# Altium PCB ZYNQ_JTY_16CH.PcbDoc (part 2 of 4)
Units mil, origin at the board's own origin, x right, y up, seen from the top; angles counter-clockwise.
Board outline 6456.69 x 4901.57 mil, 4 copper layers (Top1, GND2, PWR3, Bottom4), stack 22.378 mil thick; 525 components, 438 nets, 2202 pads, 1379 vias.
Unrouted connection lines stored in the file: 13.
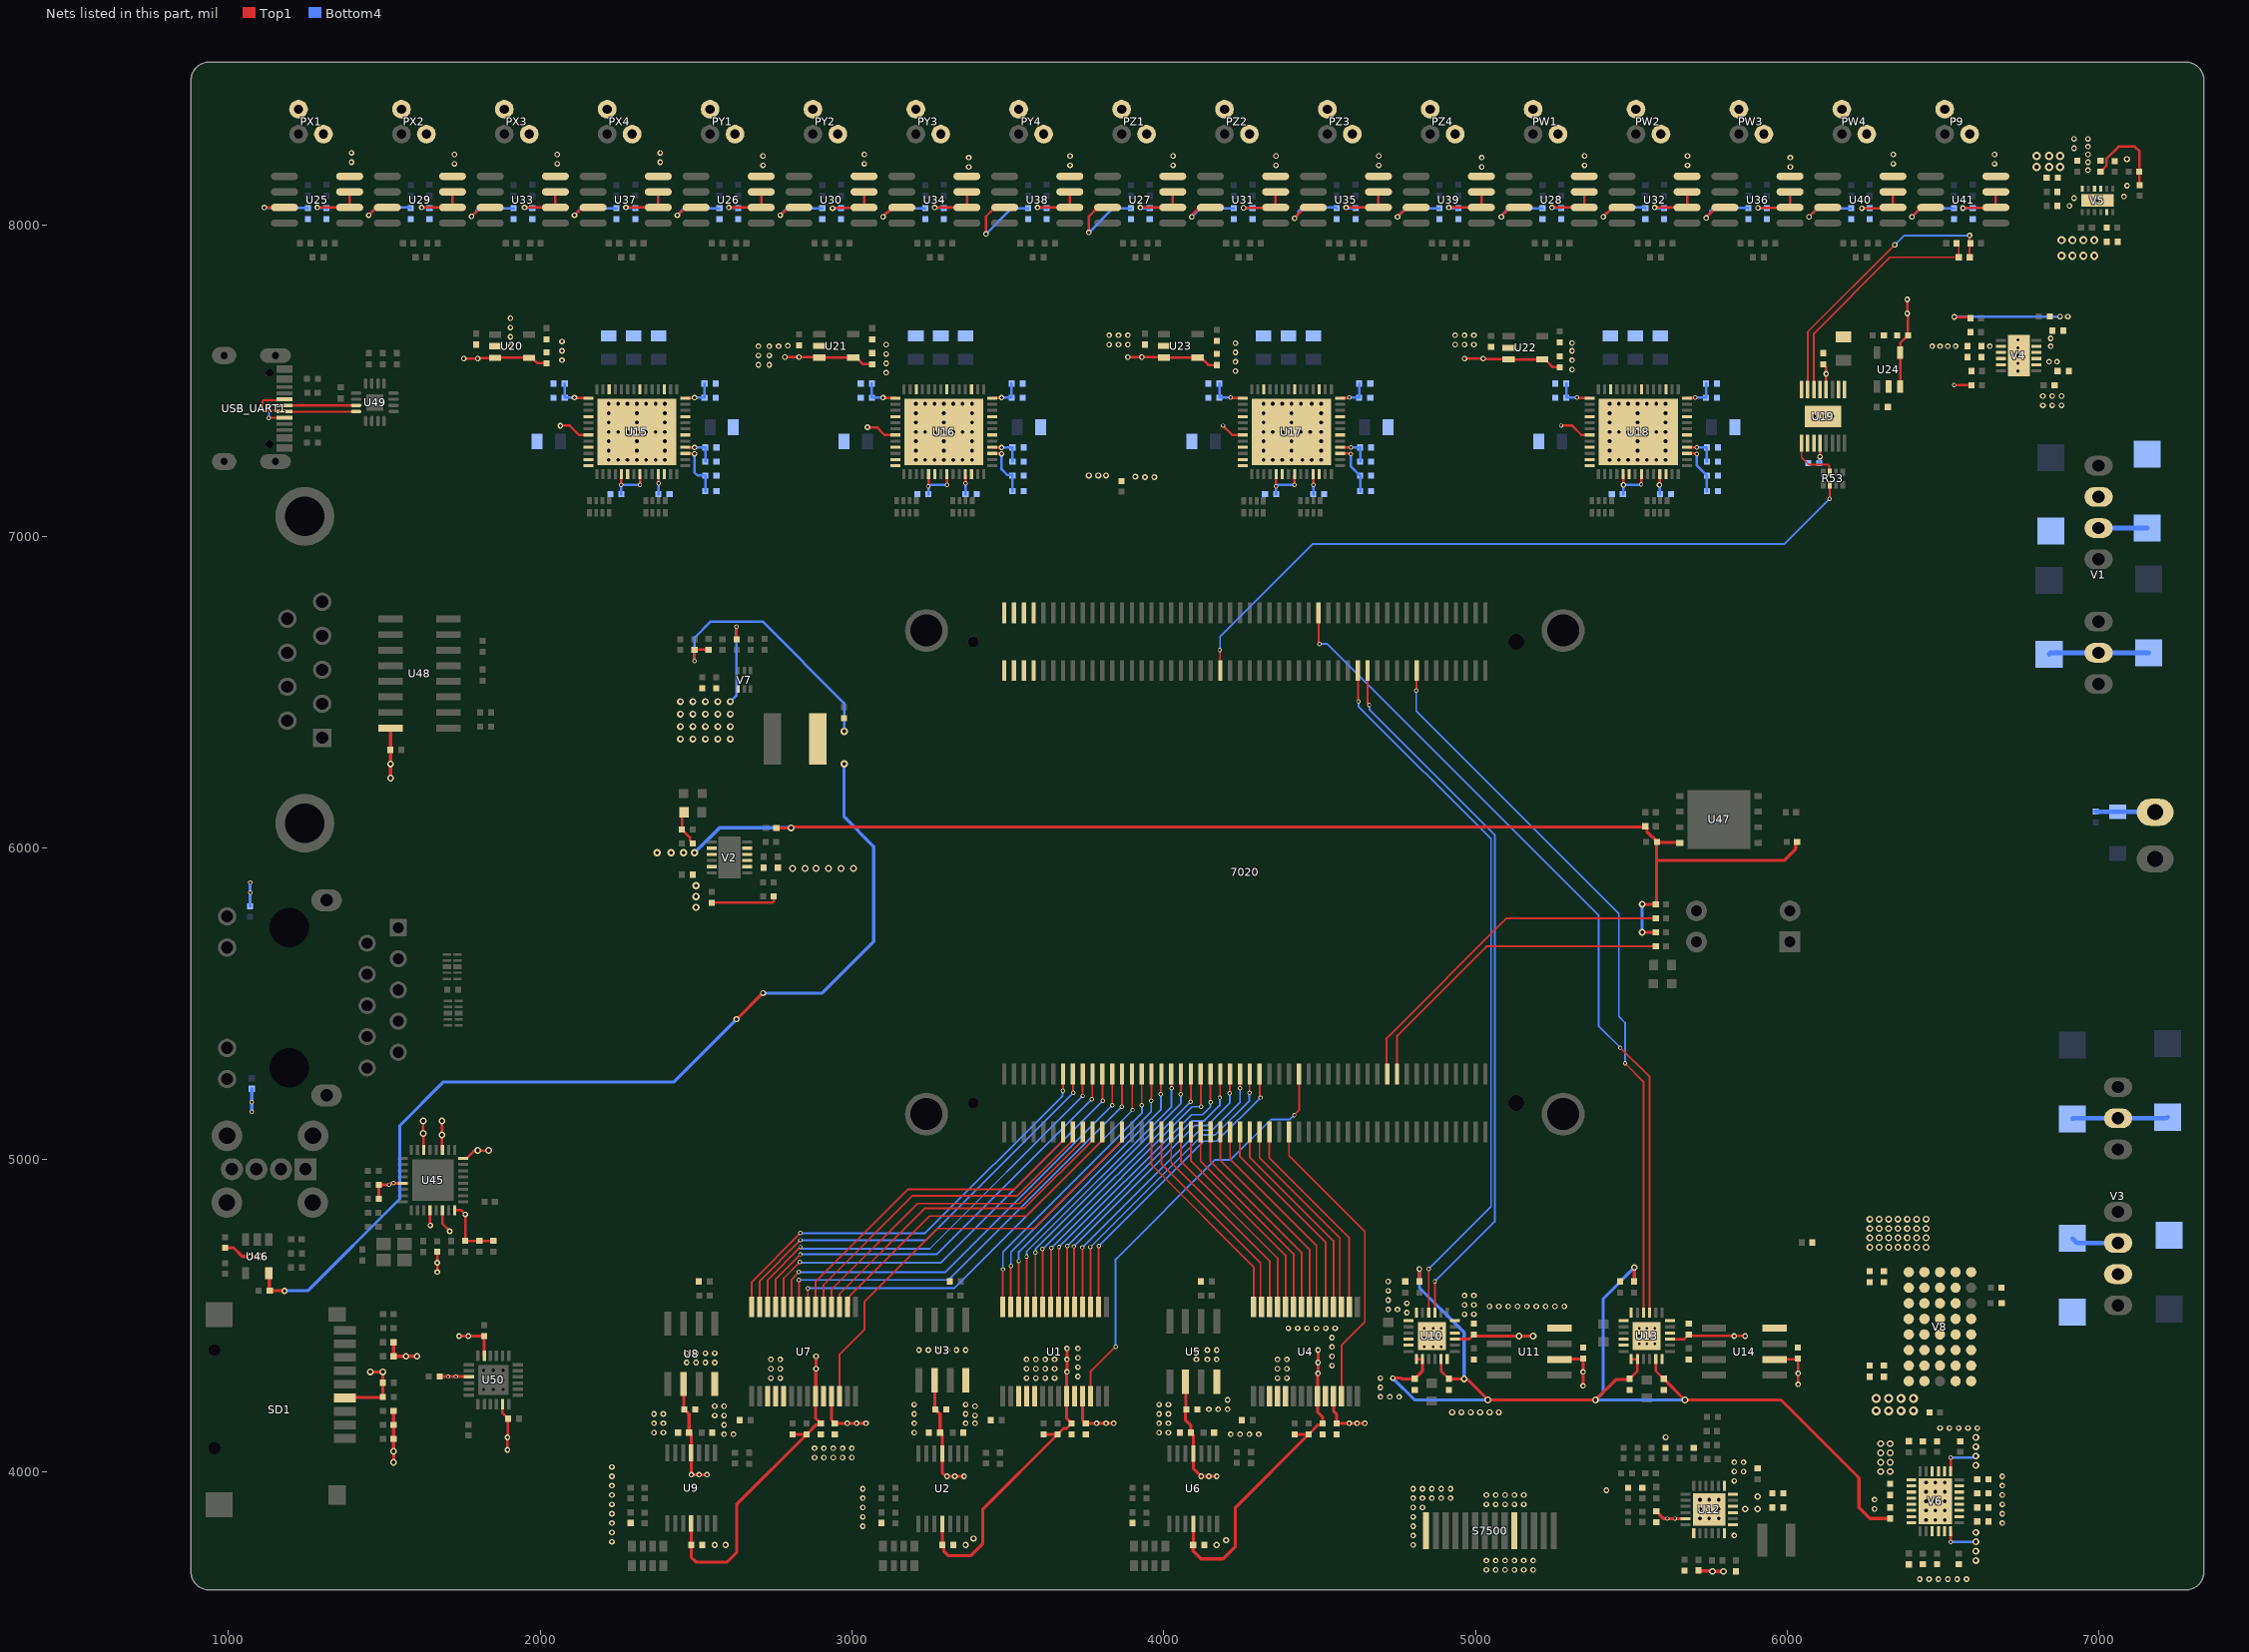
[diagram p4: the nets of this part, all layers, seen from the top]

## Footprints (in the part's own frame and the unit in brackets; to place one, negate y for a bottom-side part, rotate by r counter-clockwise, add the part's x,y. Pads: shape width x height; smd on the part's side, far side on the other; paste and mask are expansions set on the pad) (continued)
ZYNQ7010&7020_CB [mm]
  round 3.5 hole 2.6: 0(-11.591,36.148) 0(-11.591,-3.264) 0(40.28,36.148) 0(40.28,-3.264)
  rect 0.35x1.7 smd: J1_1(33.944,-4.7) J1_2(33.944,0) J1_3(33.144,-4.7) J1_4(33.144,0) J1_5(32.344,-4.7) J1_6(32.344,0) J1_7(31.544,-4.7) J1_8(31.544,0) J1_9(30.744,-4.7) J1_10(30.744,0) J1_11(29.944,-4.7) J1_12(29.944,0) J1_13(29.144,-4.7) J1_14(29.144,0) J1_15(28.344,-4.7) J1_16(28.344,0) J1_17(27.544,-4.7) J1_18(27.544,0) J1_19(26.744,-4.7) J1_20(26.744,0) J1_21(25.944,-4.7) J1_22(25.944,0) J1_23(25.144,-4.7) J1_24(25.144,0) J1_25(24.344,-4.7) J1_26(24.344,0) J1_27(23.544,-4.7) J1_28(23.544,0) J1_29(22.744,-4.7) J1_30(22.744,0) J1_31(21.944,-4.7) J1_32(21.944,0) J1_33(21.144,-4.7) J1_34(21.144,0) J1_35(20.344,-4.7) J1_36(20.344,0) J1_37(19.544,-4.7) J1_38(19.544,0) J1_39(18.744,-4.7) J1_40(18.744,0) J1_41(17.944,-4.7) J1_42(17.944,0) J1_43(17.144,-4.7) J1_44(17.144,0) J1_45(16.344,-4.7) J1_46(16.344,0) J1_47(15.544,-4.7) J1_48(15.544,0) J1_49(14.744,-4.7) J1_50(14.744,0) J1_51(13.944,-4.7) J1_52(13.944,0) J1_53(13.144,-4.7) J1_54(13.144,0) J1_55(12.344,-4.7) J1_56(12.344,0) J1_57(11.544,-4.7) J1_58(11.544,0) J1_59(10.744,-4.7) J1_60(10.744,0) J1_61(9.944,-4.7) J1_62(9.944,0) J1_63(9.144,-4.7) J1_64(9.144,0) J1_65(8.344,-4.7) J1_66(8.344,0) J1_67(7.544,-4.7) J1_68(7.544,0) J1_69(6.744,-4.7) J1_70(6.744,0) J1_71(5.944,-4.7) J1_72(5.944,0) J1_73(5.144,-4.7) J1_74(5.144,0) J1_75(4.344,-4.7) J1_76(4.344,0) J1_77(3.544,-4.7) J1_78(3.544,0) J1_79(2.744,-4.7) J1_80(2.744,0) J1_81(1.943,-4.7) J1_82(1.943,0) J1_83(1.143,-4.7) J1_84(1.143,0) J1_85(0.343,-4.7) J1_86(0.343,0) J1_87(-0.457,-4.7) J1_88(-0.457,0) J1_89(-1.257,-4.7) J1_90(-1.257,0) J1_91(-2.057,-4.7) J1_92(-2.057,0) J1_93(-2.857,-4.7) J1_94(-2.857,0) J1_95(-3.657,-4.7) J1_96(-3.657,0) J1_97(-4.457,-4.7) J1_98(-4.457,0) J1_99(-5.257,-4.7) J1_100(-5.257,0) J2_1(33.943,32.884) J2_2(33.943,37.584) J2_3(33.144,32.884) J2_4(33.144,37.584) J2_5(32.343,32.884) J2_6(32.343,37.584) J2_7(31.544,32.884) J2_8(31.544,37.584) J2_9(30.744,32.884) J2_10(30.744,37.584) J2_11(29.944,32.884) J2_12(29.943,37.584) J2_13(29.144,32.884) J2_14(29.144,37.584) J2_15(28.344,32.884) J2_16(28.344,37.584) J2_17(27.544,32.884) J2_18(27.544,37.584) J2_19(26.744,32.884) J2_20(26.744,37.584) J2_21(25.944,32.884) J2_22(25.944,37.584) J2_23(25.144,32.884) J2_24(25.144,37.584) J2_25(24.344,32.884) J2_26(24.344,37.584) J2_27(23.544,32.884) J2_28(23.544,37.584) J2_29(22.744,32.884) J2_30(22.744,37.584) J2_31(21.943,32.884) J2_32(21.943,37.584) J2_33(21.144,32.884) J2_34(21.144,37.584) J2_35(20.344,32.884) J2_36(20.344,37.584) J2_37(19.544,32.884) J2_38(19.544,37.584) J2_39(18.744,32.884) J2_40(18.744,37.584) J2_41(17.943,32.884) J2_42(17.943,37.584) J2_43(17.144,32.884) J2_44(17.144,37.584) J2_45(16.344,32.884) J2_46(16.344,37.584) J2_47(15.544,32.884) J2_48(15.544,37.584) J2_49(14.744,32.884) J2_50(14.744,37.584) J2_51(13.944,32.884) J2_52(13.944,37.584) J2_53(13.144,32.884) J2_54(13.144,37.584) J2_55(12.344,32.884) J2_56(12.344,37.584) J2_57(11.544,32.884) J2_58(11.544,37.584) J2_59(10.744,32.884) J2_60(10.744,37.584) J2_61(9.942,32.884) J2_62(9.942,37.584) J2_63(9.143,32.884) J2_64(9.143,37.584) J2_65(8.343,32.884) J2_66(8.343,37.584) J2_67(7.543,32.884) J2_68(7.543,37.584) J2_69(6.743,32.884) J2_70(6.743,37.584) J2_71(5.943,32.884) J2_72(5.943,37.584) J2_73(5.143,32.884) J2_74(5.143,37.584) J2_75(4.343,32.884) J2_76(4.343,37.584) J2_77(3.543,32.884) J2_78(3.543,37.584) J2_79(2.743,32.884) J2_80(2.743,37.584) J2_81(1.941,32.884) J2_82(1.941,37.584) J2_83(1.142,32.884) J2_84(1.142,37.584) J2_85(0.342,32.884) J2_86(0.342,37.584) J2_87(-0.458,32.884) J2_88(-0.458,37.584) J2_89(-1.258,32.884) J2_90(-1.258,37.584) J2_91(-2.058,32.884) J2_92(-2.058,37.584) J2_93(-2.858,32.884) J2_94(-2.858,37.584) J2_95(-3.658,32.884) J2_96(-3.658,37.584) J2_97(-4.458,32.884) J2_98(-4.458,37.584) J2_99(-5.258,32.884) J2_100(-5.258,37.584)
  round 1.3 hole 1.3 unplated: ""(-7.781,35.234) ""(-7.781,-2.35)
  round 0.9 hole 0.9 unplated: ""(36.47,35.234) ""(36.47,-2.35)
  silkscreen extent -14.39,-6.06 43.11,43.28

## Part data
232: "DSUB-9Pin母座", 当前库版本V2023.5.31 @淘宝卖家:黄晶宝石=最新版本发布https://shop463601444.taobao.com
7020: "ZYNQ7010&7020 Core Board"
BOOT_CFG: "2路拨码开关", BOM名称=2路拨码开关, 联系下单店铺卖家 免费技术支持="联系下单店铺卖家 免费帮你查找封装"
C1 C2 C3 C4 C5 C6 C7 C8 C9 C10 C11 C12 C13 C14 C15 C16 C17 C18 C19 C20 C21 C22 C23 C24 C25 C26 C27 C28 C29 C30 C31 C32 C33 C34 C35 C36 C37 C38 C39 C40 C41 C42 C43 C44 C45 C46 C47 C48 C49 C50 C51 C52 C53 C54 C55 C56 C57 C58 C59 C60 C61 C62 C63 C64 C65 C66 C67 C68 C69 C70 C71 C72 C73 C74 C75 C76 C77 C78 C79 C80 C81 C82 C83 C84 C85 C86 C87 C88 C89 C90 C91 C92 C93 C94 C95 C96 C97 C98 C99 C100 C101 C102 C103 C104 C105 C106 C107 C108 C109 C110 C111 C112 C113 C114 C115 C116 C117 C118 C119 C120 C121 C122 C123 C124 C125 C126 C127 C128 C129 C130 C131 C132 C133 C134 C135 C136 C137 C138 C139 C140 C141 C142 C143 C144 C145 C146 C147 C148 C149 C150 C151 C152 C153 C154 C155 C156 C157 C158 C159 C160 C161 C162 C163 C164 C165 C166 C167 C168 C169 C170 C171 C172 C173 C174 C175 C176 C177 C178 C179 C180 C181 C182 C183 C184 C185 C186 C187 C188 C189 C190 C191 C192 C193 C194 C195 C196 C197 C198 C199 C200 C201 C202 C203 C204 C205 C206 C207 C208 C209 C210 C211 C212 C213 C214 C215 C216 C217 C218 C219 C220 C221 C222 C223 C224 C225 C226 C227 C228 C229 C230 C231 C232 C233 C234 C235 C236 C237 C238 C239 C240 C241 C242 C243 C244 C245 C246 C247 C248 C249 C250 C251 C252 C253 C254 C255 C256 C257 C258 C259 C260 C261 C262 C263: library part C, "贴片电容/MLCC电容", BOM名称=无极性贴片电容, 当前库版本V2023.5.31 @淘宝卖家:黄晶宝石=最新版本发布https://item.taobao.com/item.htm?id=566775463719
DC_IN: library part "Header 2", "2P接插件", BOM名称=2P接插件, 当前库版本V2022.10.7 @淘宝卖家:黄晶宝石=最新版本发布https://shop463601444.taobao.com
E1 E2 E3 E4 E5 E6 E7 E8 E10: library part CT, "贴片钽电容", BOM名称=贴片钽电容, 当前库版本V2023.5.31 @淘宝卖家:黄晶宝石=最新版本发布https://item.taobao.com/item.htm?id=566775463719
GE_PS1: library part HR911131A/C_1, "千兆以太网接口"
L1 L2: library part FB, "贴片磁珠", BOM名称=直插磁珠, 联系下单店铺卖家 免费帮你查找封装="联系下单店铺卖家 免费技术支持"
L3 L4: library part L-SWPA, "顺络_SWPA贴片屏蔽电感", BOM名称=功率屏蔽电感, 当前库版本V2023.5.31 @淘宝卖家:黄晶宝石=最新版本发布https://item.taobao.com/item.htm?id=566775463719
LED1 LED2: library part LED, "贴片LED", BOM名称=贴片LED, 封装库来自淘宝卖家：黄晶宝石=其他店铺购入均为盗版封装库，无更新权益，请立即申请退款，本店现金奖励200~1000元
R1 R2 R3 R4 R5 R6 R7 R8 R9 R10 R12 R13 R14 R15 R16 R17 R18 R19 R21 R22 R23 R24 R25 R26 R27 R29 R30 R31 R32 R33 R34 R35 R36 R37 R38 R39 R40 R41 R42 R43 R44 R45 R46 R47 R48 R49 R50 R58 R61 R62 R63 R64 R65 R66 R67 R68 R69 R70 R71 R72 R73 R74 R75 R76 R77 R78 R79 R80 R81 R82 R83 R84 R85 R86 R87 R88 R89 R90 R91 R92 R93 R94 R95 R96 R97 R98 R99 R100 R101 R102 R103 R104 R105 R106 R107 R108 R109 R110 R111 R112 R113 R114 R115 R116 R117 R118 R119 R120 R121 R122 R123 R124 R125 R126 R127 R128 R129 R130 R131 R132 R133 R134 R135 R136 R137 R138 R139 R140 R141 R142 R143 R144 R145 R146 R147 R148 R149 R150 R151 R152 R153 R154 R155 R156 R157 R158 R159 R160 R161 R162 R163: library part R, "贴片电阻", BOM名称=贴片电阻, 联系下单店铺卖家 免费帮你查找封装="联系下单店铺卖家 免费技术支持"
R11 R20 R28 R51 R52 R53 R54 R55 R56 R57 R59 R60: library part R-8P4R, "贴片4P排阻", BOM名称=贴片网络排阻, 当前库版本V2023.5.31 @淘宝卖家:黄晶宝石=最新版本发布https://item.taobao.com/item.htm?id=566775463719
SD1: "Micro SD卡", BOM名称="Micro SD卡", 学习资源=www.ooocke.com, 版权归属=源创客
U1 U2 U3 U4 U5 U6 U7 U8 U9 U10 U11 U12 U13 U14 U15 U16 U17 U18 U19 V2 V4 V6 V8: "No Description Available", Mfr_Name="Analog Devices Inc", RefDes=RefDes
  U1 U3 U4 U5 U7 U8 U10 U11 U12 U13 U14 U15 U16 U17 U18 U19 V2 V4 V6 V8: Type=Type
  U2 U6 U9: Type=Linear
U20 U21 U22 U23 U24: library part REF1925AIDDCT, "No Description Available", Mfr_Name="Texas Instruments", RefDes=RefDes, Type=Type
U25 U26 U27 U28 U29 U30 U31 U32 U33 U34 U35 U36 U37 U38 U39 U40 U41 U50 V5: "No Description Available", Mfr_Name="Texas Instruments", RefDes=RefDes
  U25 U26 U27 U28 U29 U30 U31 U32 U33 U34 U35 U36 U37 U38 U39 U40 U41: Type=TYPE
  U50: Type=Type
  V5: Copyright="Copyright (C) 2023 Ultra Librarian. All rights reserved.", Manufacturer_Part_Number=LM27762DSSR, Type=DEV
U45: "No Description Available", Mfr_Name=Microchip, RefDes=RefDes, Type=Type
U46: "No Description Available", Alternate_PartNumber=TPS2051BDBVT, Manufacturer="Texas Instruments", CompType=IC, Mfr_Name="Texas Instruments", MountType=SMT, PackageReference=DBV0005A, PartNumber=TPS2051BDBVR, RefDes=RefDes, RoHS=Y, Type=TYPE
U47: "No Description Available", Mfr_Name=Micron, RefDes=RefDes, Type=Type
U48: "No Description Available", Mfr_Name=MaxLinear, RefDes=RefDes, Type=Type
U49: "USB to high speed enhanced TTL Serial / UART"
U51 U52: "ESD保护二极管阵列"
USB1: library part USB2.0_Type-A_F, "USB2.0_Type-A母座", BOM名称=USB2.0_Type-A母座, 联系下单店铺卖家 免费技术支持="联系下单店铺卖家 免费帮你查找封装"
USB_UART1: library part "USB Type-C", "12P TypeC 母座"
V1 V3: library part WRB_S-3WR2
V7: "No Description Available", Mfr_Name="Monolithic Power Systems", RefDes=RefDes, Type=Type
X1: library part XTAL-4P, "4脚无源晶振(谐振器）", BOM名称=4脚无源晶振(谐振器）, 联系下单店铺卖家 免费帮你查找封装="联系下单店铺卖家 免费技术支持"

## Via types
v1: diameter 18, hole 10, Top1 to Bottom4, tented both sides, 707 vias
v2: diameter 14, hole 8, Top1 to Bottom4, tented both sides, 314 vias
v3: diameter 22, hole 12, Top1 to Bottom4, tented both sides, 261 vias
v4: diameter 20, hole 11, Top1 to Bottom4, tented both sides, 40 vias
v5: diameter 26, hole 14, Top1 to Bottom4, tented both sides, 18 vias
v6: diameter 28, hole 15, Top1 to Bottom4, tented both sides, 14 vias
v7: diameter 24, hole 12, Top1 to Bottom4, tented both sides, 12 vias
v8: diameter 24, hole 10, Top1 to Bottom4, tented both sides, 9 vias
v9: diameter 20, hole 12, Top1 to Bottom4, tented both sides, 4 vias

## Nets (pads, with @x,y where several pads share a name; then routed paths per layer and width w, separated by ;. In a path a pad name is that pad's centre, name@x,y a point inside that pad or via, vN(x,y) a via of type N, cw(c..) or ccw(c..) an arc to the next point about the centre after c; other vN are vias at no path point)
9+: C195.2 R110.2 U19.6 | length 793
  Top1 w6: U19.6@6085.47,7471 6085.47,7650.47 6330,7895 C195.2@6550,7895 6550,7933.46 R110.2@6543.46,7940
9-: C195.1 R111.2 U19.7 | length 905
  Top1 w6: U19.7@6065.79,7471 6065.79,7655.79 v1(6345,7935) ; v1(6585,7965) 6585,7943.27 R111.2@6588.27,7940 6585,7936.73 6585,7895.43 C195.1@6585.43,7895
  Bottom4 w6: v1(6345,7935) 6375,7965 v1(6585,7965)
+1.8V: C198.1 C201.2 C234.2 C235.2 C236.2 C257.1 R112.2 R142.2 U45.8 U45.11 U45.14 U45.28 U45.30 U45.32 U50.5 V2.5 | length 1057.2
  Top1 w8: v3(1625,5125) v3(1625,5085) 1625.75,5084.25 1625.75,5032.25 U45.14@1626.5,5031.5 ; U45.28@1646.5,4838.5 1647.25,4837.75 1647.25,4790.75 v1(1648,4790) ; v1(1670,4640) v1(1670,4670) R142.2@1670,4705.43 ; v3(1685,5125) v3(1685,5080) 1685.75,5079.25 1685.75,5032.25 U45.11@1686.5,5031.5 ; U45.30@1686.5,4838.5 1686.5,4795.75 1710,4772.25 v1(1710,4771.13) ; U45.32@1726.5,4838.5 1746.5,4838.5 v1(1760,4825) C234.2@1760,4740.43 C235.2@1805,4740.43 C236.2@1850,4740.43 ; U45.8@1753,5005 1764,5005 1786.32,5027.32 1797.32,5027.32 v3(1800,5030) v3(1835,5030) ; U50.5@1879.53,4216.24 1879.53,4187.76 C257.1@1897.28,4170 1896.14,4168.86 1896.14,4111.14 v1(1895,4110) v1(1895,4070) ; C201.2@2550,5824.57 2744.33,5824.57 2749.01,5829.25 R112.2@2749.01,5845
  other v7: 2500,5810 2500,5845 2500,5880
+3V3: C199.1 C200.2 C237.2 C238.2 C249.2 C250.1 C253.1 C254.1 C258.1 C259.1 R1.2 R2.2 R113.2 R145.1 R148.2 R150.2 R151.1 R152.1 R153.1 R154.1 R155.1 R161.2 R162.1 R163.1 SD1.4 U45.21 U47.8 U48.16 U50.17 U50.21 V2.2 V2.3 | length 5582.8
  Top1 w8: R163.1@2461.46,6115 2454.57,6108.11 C200.2@2454.57,6060 2480,6034.57 2480,6025 C199.1@2490,6015
  Top1 w10: R145.1@990,4718.27 1016.73,4718.27 1045,4690 v3(1070,4690) v3(1105,4690) ; SD1.4@1373.39,4236.42 1375.18,4238.21 1493.63,4238.21 C253.1@1495.42,4240 C254.1@1495.42,4285 1495.21,4285.21 1495.21,4319.79 v3(1495,4320) v3(1455,4320) ; C237.2@1482.59,4875 C238.2@1482.59,4920 v2(1515,4920) 1516.08,4920 1520.32,4924.23 1529.23,4924.23 v2(1530,4925) U45.21@1560,4925 ; v3(1520,6225) v3(1520,6270) U48.16@1520,6385 ; R155.1@1529.75,4195 R153.1@1529.75,4150 R154.1@1529.75,4105 1529.87,4104.87 1529.87,4065.13 v3(1530,4065) v3(1530,4030) ; R152.1@1529.75,4415 R151.1@1529.75,4370 v3(1570,4370) v3(1605,4370) ; C259.1@1677.72,4305 1759.87,4305 1761.02,4303.85 U50.21@1772.24,4303.85 ; v1(1740,4435) v1(1770,4435) 1770.22,4434.78 1819.78,4434.78 C258.1@1820,4434.57 1820.24,4434.33 1820.24,4371.99 U50.17@1820.47,4371.76 ; R113.2@2757.54,6065 v3(2805,6065) 2807.3,6067.3 5542.3,6067.3 R150.2@5545,6070 5549.84,6065.16 5549.84,6052.87 C249.2@5582.72,6020 ; v3(5535,5730) R1.2@5578.27,5730 ; v3(5535,5820) R2.2@5578.27,5820 5580.49,5822.22 5580.49,5960 ; U47.8@5655,6017 5653.5,6018.5 5584.22,6018.5 C249.2@5582.72,6020 ; R148.2@6031.73,6020 6026.89,6015.16 6026.89,5996.89 5990,5960 5580.49,5960 ; 5580.49,5960 5580.49,6017.78 C249.2@5582.72,6020
  Bottom4 w10: R161.2@1070,5813.46 v2(1070,5856.73) v2(1070,5890) ; v2(1075,5155) v2(1075,5185) R162.1@1075,5228.27 ; v3(5535,5730) v3(5535,5820)
  Bottom4 w12: v7(2495,5985) 2575,6065 v3(2805,6065)
  other v2: 1705,4305 1730,4305
  other v7: 2375,5985 2420,5985 2460,5985
+3V3_S7500: C34.2 C35.2 C46.2 C47.2 C212.2 C214.2 L1.1 L2.1 R118.2 U10.7 U10.8 U10.11 U13.7 U13.8 U13.11 V6.7 V6.8 | length 3945.8
  Top1 w8: U10.7@4810.79,4360.5 U10.8@4830.47,4360.5 ; U10.11@4889.53,4360.5 4889.53,4323.19 4909.16,4303.56 C35.2@4915,4297.72 ; C46.2@5494,4297.72 5519.47,4323.19 U13.8@5519.47,4360.5 U13.7@5499.79,4360.5 ; U13.11@5578.53,4360.5 5578.53,4323.19 C47.2@5604,4297.72
  Top1 w10: v1(4735,4300) 4761.72,4300 4764,4297.72 C34.2@4805,4297.72 4830.47,4323.19 U10.8@4830.47,4360.5 ; L1.1@4820,4610 v1(4820,4650) ; C35.2@4915,4297.72 v3(4963.72,4297.68) 4966.02,4295.38 4974.62,4295.38 v3(5040,4230) v3(5385,4230) 5450,4295 5491.28,4295 C46.2@5494,4297.72 ; L2.1@5509,4610 5509.5,4610.5 5509.5,4654.5 v4(5510,4655) ; C47.2@5604,4297.72 v3(5671.72,4230) 5980,4230 6230,3980 6230,3885 6265.43,3849.57 C214.2@6330,3849.57
  Bottom4 w10: v1(4735,4300) 4805,4230 v3(5040,4230) v3(5385,4230) ; v1(4820,4650) 4820,4590 4963.72,4446.28 v3(4963.72,4297.68) ; v4(5510,4655) 5410,4555 5410,4255 v3(5385,4230) ; v3(5671.72,4230) v3(5385,4230)
+5_7020: 7020.J1_1 7020.J1_2 7020.J1_3 7020.J1_4 7020.J1_5 7020.J1_6 7020.J1_7 7020.J1_8 C204.2 C217.2 C242.2 L4.2 R122.2 U46.5 | length 4063
  Top1 w8: v2(2495,6600) R122.2@2495,6636.54 2495.43,6636.11 2539.57,6636.11 C204.2@2540,6635.68
  Top1 w10: U46.5@1130,4636.73 1131.36,4635.37 1131.36,4581.36 C242.2@1132.72,4580 v4(1180,4580) ; v4(2630,5451) 2630.5,5451 2714.5,5535 v4(2715,5535)
  Bottom4 w8: v2(2495,6600) 2495,6675 2547,6727 2713,6727 2975,6465 v7(2975,6375)
  Bottom4 w10: v4(1180,4580) 1255,4580 1550,4875 1550,5110 1690,5250 2429,5250 v4(2630,5451) ; v4(2715,5535) 2905,5535 3070,5700 3070,6005 2975,6100 v7(2975,6270)
+5V_S7500: C5.2 C6.2 C9.2 C15.2 C16.2 C19.2 C25.2 C26.2 C29.2 C36.2 C38.2 C40.1 C43.2 C44.2 C48.2 C49.2 C211.2 C213.2 R44.1 R119.2 U1.25 U2.4 U3.2 U4.25 U5.2 U6.4 U7.25 U8.2 U9.4 U10.15 U11.2 U12.5 U12.15 U12.16 U13.15 U14.2 V6.1 V6.2 | length 2677.2
  Top1 w8: U13.15@5623.5,4425.16 5669.59,4425.16 C48.2@5684,4439.57 5688.57,4435 v1(5830,4435) v1(5865,4435) ; U14.2@5959,4360 5960.14,4361.14 6032.86,4361.14 C49.2@6034,4362.28 6034.5,4361.78 6034.5,4315.5 v1(6035,4315) v1(6035,4280)
  Top1 w10: U8.2@2460,4281 2461.14,4279.86 2461.14,4201.14 C25.2@2462.28,4200 2477.72,4184.57 C29.2@2477.72,4125 2484.41,4118.31 U9.4@2484.41,4060 2484.41,3990.59 v1(2485,3990) v1(2510,3990) v1(2535,3990) ; U7.25@2934.6,4242 2934.6,4165.4 C26.2@2945,4155 v1(2985,4155) v1(3015,4155) v1(3045,4155) ; U3.2@3265,4293 3266.14,4291.86 3266.14,4201.14 C5.2@3267.28,4200 3282.72,4184.57 C9.2@3282.72,4125 3290,4117.72 U2.4@3290,4058.3 3290,3995 3300,3985 v1(3305,3985) v1(3330,3985) v1(3360,3985) ; U1.25@3739.6,4242 3739.6,4165.4 C6.2@3750,4155 v1(3785,4155) v1(3815,4155) v1(3840,4155) ; U5.2@4070,4288 4071.14,4286.86 4071.14,4201.14 C15.2@4072.28,4200 4070,4197.72 4070,4165 4087.72,4147.28 C19.2@4087.72,4125 4095,4117.72 U6.4@4095,4058.3 4095,4010 v1(4120,3985) v1(4145,3985) v1(4170,3985) ; U4.25@4544.6,4242 4544.6,4194.12 4555,4183.72 C16.2@4555,4155 v1(4595,4155) v1(4620,4155) v1(4645,4155) ; U10.15@4934.5,4425.16 4980.59,4425.16 C36.2@4995,4439.57 4999.57,4435 v3(5140,4435) v3(5185,4435) ; U11.2@5270,4360 5271.14,4361.14 5343.86,4361.14 C38.2@5345,4362.28 v1(5345,4320) v1(5345,4275) ; C40.1@5580,3872.72 5602.98,3849.74 5614.85,3849.74 v2(5615.62,3848.97) v2(5640,3848.97) U12.5@5673.03,3848.97 ; R44.1@5715,3683.27 5716.63,3681.63 5758.37,3681.63 v3(5760,3680) v3(5795,3680)
  other v3: 5865,3880 5905,3880 5905,3920 6300,4000 6330,4000 6300,4030 6330,4030 6300,4060 6330,4060 6300,4090 6330,4090
+A3V3_PD: C58.1 C67.1 C68.1 C69.1 C70.1 C71.1 C72.1 C73.1 C74.1 C77.1 C78.1 C79.1 C80.1 C81.1 C82.1 C83.1 C84.1 C96.1 C97.1 C98.1 C99.1 C100.1 C101.1 C102.1 C103.1 C106.1 C107.1 C108.1 C109.1 C110.1 C111.1 C112.1 C113.1 C206.1 C207.2 R117.2 U15.15 U15.21 U15.43 U15.44 U15.52 U16.15 U16.21 U16.43 U16.44 U16.52 U17.15 U17.21 U17.43 U17.44 U17.52 U18.15 U18.21 U18.43 U18.44 U18.52 U19.4 V4.2 V4.3 | length 2564.8
  Top1 w8: v1(2065,7355) 2095,7355 2124.84,7325.16 U15.21@2154.5,7325.16 ; v1(2110,7445) 2110.87,7444.13 2153.63,7444.13 U15.15@2154.5,7443.27 ; U15.43@2465.5,7266.1 2466.05,7265.55 2494.45,7265.55 v1(2495,7265) ; U15.44@2465.5,7285.79 2465.89,7285.39 2494.61,7285.39 v1(2495,7285) ; U15.52@2465.5,7443.27 2466.37,7444.13 2494.13,7444.13 v1(2495,7445) ; v1(3050,7350) 3080,7350 3104.84,7325.16 U16.21@3139.5,7325.16 ; v1(3100,7445) 3100.87,7444.13 3138.63,7444.13 U16.15@3139.5,7443.27 ; U16.43@3450.5,7266.1 3451.05,7265.55 3479.45,7265.55 v1(3480,7265) ; U16.44@3450.5,7285.79 3450.89,7285.39 3479.61,7285.39 v1(3480,7285) ; U16.52@3450.5,7443.27 3451.37,7444.13 3479.13,7444.13 v1(3480,7445) ; v2(4190,7355) 4219.84,7325.16 U17.21@4254.5,7325.16 ; v2(4215,7445) 4215.87,7444.13 4253.63,7444.13 U17.15@4254.5,7443.27 ; U17.43@4565.5,7266.1 4566.05,7265.55 4599.45,7265.55 v2(4600,7265) ; U17.44@4565.5,7285.79 4565.89,7285.39 4599.61,7285.39 v2(4600,7285) ; U17.52@4565.5,7443.27 4566.37,7444.13 4594.13,7444.13 v2(4595,7445) ; v2(5275,7355) 5310,7355 5339.85,7325.15 U18.21@5366.9,7325.15 ; v2(5325,7445) 5325.87,7444.13 5366.04,7444.13 U18.15@5366.9,7443.26 ; U18.43@5677.9,7266.1 5678.45,7265.55 5709.45,7265.55 v2(5710,7265) ; U18.44@5677.9,7285.78 5678.3,7285.39 v2(5709.61,7285.39) ; U18.52@5677.9,7443.26 5678.77,7444.13 5704.13,7444.13 v2(5705,7445) ; C58.1@6115,7552.28 6124.84,7542.44 U19.4@6124.84,7471 ; v2(6535,7485) R117.2@6590.98,7485
  Bottom4 w8: C73.1@2078.79,7490 C70.1@2078.79,7445 v1(2110,7445) ; v1(2495,7265) 2495,7205 2505,7195 C69.1@2530,7195 C74.1@2530,7145 ; v1(2495,7285) C72.1@2530,7285 C68.1@2530,7240 ; v1(2495,7445) C67.1@2527.28,7445 C71.1@2527.28,7490 ; C83.1@3063.79,7490 C80.1@3063.79,7445 v1(3100,7445) ; v1(3480,7265) 3480,7215 3497.84,7197.16 3512.84,7197.16 C79.1@3515,7195 C84.1@3515,7145 ; v1(3480,7285) C82.1@3515,7285 C78.1@3515,7240 ; v1(3480,7445) C77.1@3512.28,7445 C81.1@3512.28,7490 ; C102.1@4178.79,7490 C99.1@4178.79,7445 v2(4215,7445) ; v2(4595,7445) C96.1@4627.28,7445 C100.1@4627.28,7490 ; v2(4600,7265) 4600,7225 C98.1@4630,7195 C103.1@4630,7145 ; v2(4600,7285) C101.1@4630,7285 C97.1@4630,7240 ; C112.1@5291.2,7490 C109.1@5291.2,7445 v2(5325,7445) ; v2(5705,7445) C106.1@5739.69,7445 C110.1@5739.69,7490 ; v2(5709.61,7285.39) 5709.81,7285.19 5742.21,7285.19 C111.1@5742.4,7285 C107.1@5742.4,7240 ; v2(5710,7265) 5710,7227.4 C108.1@5742.4,7195 C113.1@5742.4,7145
  other v1: 6820,7420 6850,7420 6880,7420 6820,7450 6850,7450 6880,7450 6124.84,7521.2 6840,7560 6865,7560
+A4_PD: C138.1 C140.1 C142.1 C144.1 C154.1 C156.1 C158.1 C160.1 C170.1 C172.1 C174.1 C176.1 C186.1 C188.1 C190.1 C192.1 C196.1 C224.2 R131.2 U25.3 U26.3 U27.3 U28.3 U29.3 U30.3 U31.3 U32.3 U33.3 U34.3 U35.3 U36.3 U37.3 U38.3 U39.3 U40.3 U41.3 V5.11 | length 3872.6
  Top1 w8: v1(1115,8055) U25.3@1180,8055 ; v1(1450,8030) 1475,8055 U29.3@1510,8055 ; v1@1780,8026.47 1808.53,8055 U33.3@1840,8055 ; v1(2110,8030) 2135,8055 U37.3@2170,8055 ; v1(2440,8030) 2441.75,8030 2466.75,8055 U26.3@2500,8055 ; v1(2770,8030) 2771.75,8030 2796.75,8055 U30.3@2830,8055 ; v1(3100,8025) 3100,8025.75 3129.25,8055 U34.3@3160,8055 ; v1(3430,7970) 3430,8026.5 3458.5,8055 U38.3@3490,8055 ; v1(3760,7975) 3760,8026.5 3788.5,8055 U27.3@3820,8055 ; v1(4090,8025) 4090,8030 4115,8055 U31.3@4150,8055 ; v1(4420,8020) 4420,8022.71 4452.29,8055 U35.3@4480,8055 ; v1(4750,8025) 4780,8055 U39.3@4810,8055 ; v1(5083,8025) 5083,8027.25 5110.75,8055 U28.3@5140,8055 ; v1(5410,8025) 5410,8025.75 5439.25,8055 U32.3@5470,8055 ; v1(5740,8021.35) 5740,8023.92 5771.08,8055 U36.3@5800,8055 ; v1(6070,8025) 6070,8025.75 6099.25,8055 U40.3@6130,8055 ; v1(6400,8025) 6400,8025.75 6429.25,8055 U41.3@6460,8055
  Bottom4 w8: v1(1115,8055) 1116.14,8053.86 1253.86,8053.86 C140.1@1255,8052.72 ; v1(1450,8030) 1475,8055 1582.72,8055 C154.1@1585,8052.72 ; v1(1780,8026.45) 1795.9,8042.35 1795.9,8045.9 1802.72,8052.72 C170.1@1915,8052.72 ; v1(2110,8030) 2132.72,8052.72 C186.1@2245,8052.72 ; v1(2440,8030) 2462.72,8052.72 C138.1@2575,8052.72 ; v1(2770,8030) 2792.72,8052.72 C156.1@2905,8052.72 ; v1(3100,8025) 3127.72,8052.72 C172.1@3235,8052.72 ; v1(3430,7970) 3512.72,8052.72 C188.1@3565,8052.72 ; v1(3760,7975) 3837.72,8052.72 C142.1@3895,8052.72 ; v1(4090,8025) 4117.72,8052.72 C158.1@4225,8052.72 ; v1(4420,8020) 4420,8022.71 4432.68,8035.38 4432.68,8042.68 4445,8055 4552.72,8055 C174.1@4555,8052.72 ; v1(4750,8025) 4777.72,8052.72 C190.1@4885,8052.72 ; v1(5083,8025) 5083,8027.71 5096.32,8041.02 5096.32,8041.32 5107.72,8052.72 C144.1@5215,8052.72 ; v1(5410,8025) 5440,8055 5542.72,8055 C160.1@5545,8052.72 ; v1(5740,8021.35) 5740,8024.06 5753.35,8037.41 5753.35,8043.35 5763.86,8053.86 5873.86,8053.86 C176.1@5875,8052.72 ; v1(6070,8025) 6097.72,8052.72 C192.1@6205,8052.72 ; v1(6400,8025) 6427.72,8052.72 C196.1@6535,8052.72